# Altium PCB PM12_CFD.PcbDoc (part 2 of 12)
Units mm, origin at the board's own origin, x right, y up, seen from the top; angles counter-clockwise.
Board outline 96.25 x 362.25 mm, 6 copper layers (Top Layer, Mid-Layer 1, Mid-Layer 2, Mid-Layer 3, Mid-Layer 4, Bottom Layer); 1413 components, 2881 nets, 4503 pads, 1682 vias.
Unrouted connection lines stored in the file: 4.
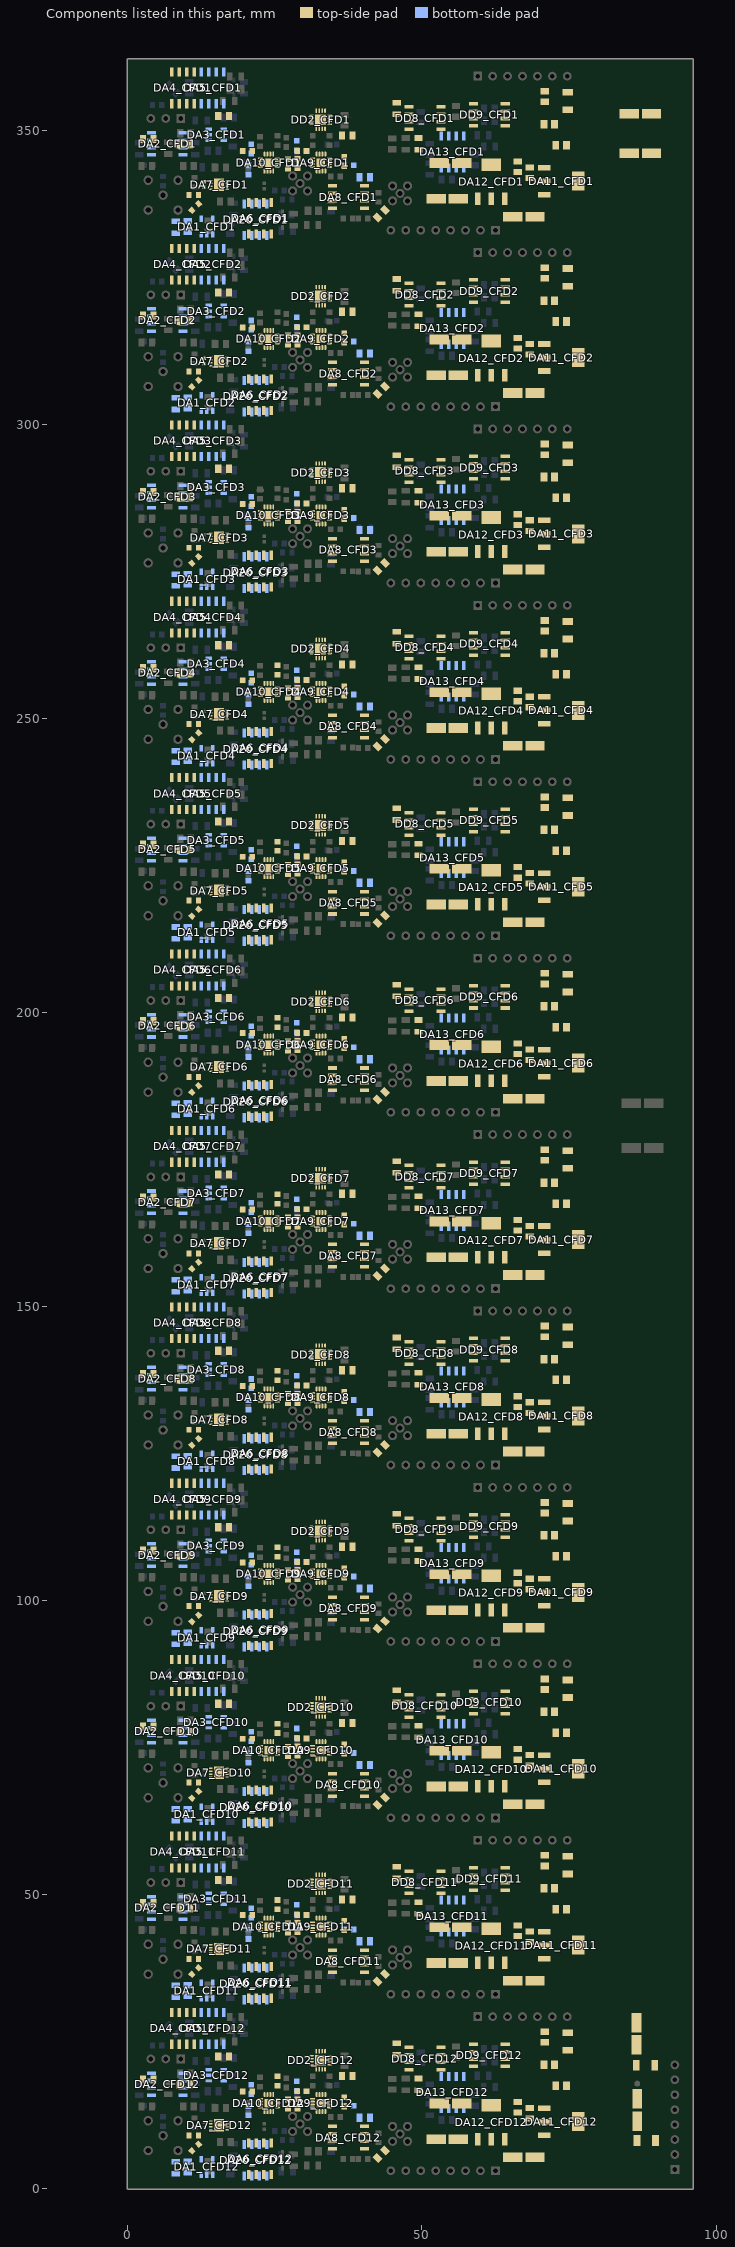
[diagram p6: the components of this part, seen from the top]

## Components (designator, comment, footprint, x,y, rotation, side; value= is the part's Value field where it differs from the comment) (continued)
C32_CFD4 "220nF" CAPC1608X87N 25.4,258.234 r270 top (schematic designator C32)
C32_CFD5 "220nF" CAPC1608X87N 25.4,228.234 r270 top (schematic designator C32)
C32_CFD6 "220nF" CAPC1608X87N 25.4,198.234 r270 top (schematic designator C32)
C32_CFD7 "220nF" CAPC1608X87N 25.4,168.234 r270 top (schematic designator C32)
C32_CFD8 "220nF" CAPC1608X87N 25.4,138.234 r270 top (schematic designator C32)
C32_CFD9 "220nF" CAPC1608X87N 25.4,108.234 r270 top (schematic designator C32)
C32_CFD10 "220nF" CAPC1608X87N 25.4,78.234 r270 top (schematic designator C32)
C32_CFD11 "220nF" CAPC1608X87N 25.4,48.234 r270 top (schematic designator C32)
C32_CFD12 "220nF" CAPC1608X87N 25.4,18.234 r270 top (schematic designator C32)
C33_CFD1 "220nF" CAPC1608X87N 36.77,344.678 r270 top (schematic designator C33)
C33_CFD2 "220nF" CAPC1608X87N 36.77,314.678 r270 top (schematic designator C33)
C33_CFD3 "220nF" CAPC1608X87N 36.77,284.678 r270 top (schematic designator C33)
C33_CFD4 "220nF" CAPC1608X87N 36.77,254.678 r270 top (schematic designator C33)
C33_CFD5 "220nF" CAPC1608X87N 36.77,224.678 r270 top (schematic designator C33)
C33_CFD6 "220nF" CAPC1608X87N 36.77,194.678 r270 top (schematic designator C33)
C33_CFD7 "220nF" CAPC1608X87N 36.77,164.678 r270 top (schematic designator C33)
C33_CFD8 "220nF" CAPC1608X87N 36.77,134.678 r270 top (schematic designator C33)
C33_CFD9 "220nF" CAPC1608X87N 36.77,104.678 r270 top (schematic designator C33)
C33_CFD10 "220nF" CAPC1608X87N 36.77,74.678 r270 top (schematic designator C33)
C33_CFD11 "220nF" CAPC1608X87N 36.77,44.678 r270 top (schematic designator C33)
C33_CFD12 "220nF" CAPC1608X87N 36.77,14.678 r270 top (schematic designator C33)
C34 "47uF" CAPAE530X610N 86.614,13.335 r90 top
C35_CFD1 "220nF" CAPC1608X87N 27.22,344.3 r270 top (schematic designator C35)
C35_CFD2 "220nF" CAPC1608X87N 27.22,314.3 r270 top (schematic designator C35)
C35_CFD3 "220nF" CAPC1608X87N 27.22,284.3 r270 top (schematic designator C35)
C35_CFD4 "220nF" CAPC1608X87N 27.22,254.3 r270 top (schematic designator C35)
C35_CFD5 "220nF" CAPC1608X87N 27.22,224.3 r270 top (schematic designator C35)
C35_CFD6 "220nF" CAPC1608X87N 27.22,194.3 r270 top (schematic designator C35)
C35_CFD7 "220nF" CAPC1608X87N 27.22,164.3 r270 top (schematic designator C35)
C35_CFD8 "220nF" CAPC1608X87N 27.22,134.3 r270 top (schematic designator C35)
C35_CFD9 "220nF" CAPC1608X87N 27.22,104.3 r270 top (schematic designator C35)
C35_CFD10 "220nF" CAPC1608X87N 27.22,74.3 r270 top (schematic designator C35)
C35_CFD11 "220nF" CAPC1608X87N 27.22,44.3 r270 top (schematic designator C35)
C35_CFD12 "220nF" CAPC1608X87N 27.22,14.3 r270 top (schematic designator C35)
C36_CFD1 "220nF" CAPC1608X87N 28.8,344.35 r270 top (schematic designator C36)
C36_CFD2 "220nF" CAPC1608X87N 28.8,314.35 r270 top (schematic designator C36)
C36_CFD3 "220nF" CAPC1608X87N 28.8,284.35 r270 top (schematic designator C36)
C36_CFD4 "220nF" CAPC1608X87N 28.8,254.35 r270 top (schematic designator C36)
C36_CFD5 "220nF" CAPC1608X87N 28.8,224.35 r270 top (schematic designator C36)
C36_CFD6 "220nF" CAPC1608X87N 28.8,194.35 r270 top (schematic designator C36)
C36_CFD7 "220nF" CAPC1608X87N 28.8,164.35 r270 top (schematic designator C36)
C36_CFD8 "220nF" CAPC1608X87N 28.8,134.35 r270 top (schematic designator C36)
C36_CFD9 "220nF" CAPC1608X87N 28.8,104.35 r270 top (schematic designator C36)
C36_CFD10 "220nF" CAPC1608X87N 28.8,74.35 r270 top (schematic designator C36)
C36_CFD11 "220nF" CAPC1608X87N 28.8,44.35 r270 top (schematic designator C36)
C36_CFD12 "220nF" CAPC1608X87N 28.8,14.35 r270 top (schematic designator C36)
C37_CFD1 "220nF" CAPC2012X135N 9.652,347.599 r180 top (schematic designator C37)
C37_CFD2 "220nF" CAPC2012X135N 9.652,317.599 r180 top (schematic designator C37)
C37_CFD3 "220nF" CAPC2012X135N 9.652,287.599 r180 top (schematic designator C37)
C37_CFD4 "220nF" CAPC2012X135N 9.652,257.599 r180 top (schematic designator C37)
C37_CFD5 "220nF" CAPC2012X135N 9.652,227.599 r180 top (schematic designator C37)
C37_CFD6 "220nF" CAPC2012X135N 9.652,197.599 r180 top (schematic designator C37)
C37_CFD7 "220nF" CAPC2012X135N 9.652,167.599 r180 top (schematic designator C37)
C37_CFD8 "220nF" CAPC2012X135N 9.652,137.599 r180 top (schematic designator C37)
C37_CFD9 "220nF" CAPC2012X135N 9.652,107.599 r180 top (schematic designator C37)
C37_CFD10 "220nF" CAPC2012X135N 9.652,77.599 r180 top (schematic designator C37)
C37_CFD11 "220nF" CAPC2012X135N 9.652,47.599 r180 top (schematic designator C37)
C37_CFD12 "220nF" CAPC2012X135N 9.652,17.599 r180 top (schematic designator C37)
C38_CFD1 "220nF" CAPC2012X135N 40.259,342.011 r0 bottom (schematic designator C38)
C38_CFD2 "220nF" CAPC2012X135N 40.259,312.011 r0 bottom (schematic designator C38)
C38_CFD3 "220nF" CAPC2012X135N 40.259,282.011 r0 bottom (schematic designator C38)
C38_CFD4 "220nF" CAPC2012X135N 40.259,252.011 r0 bottom (schematic designator C38)
C38_CFD5 "220nF" CAPC2012X135N 40.259,222.011 r0 bottom (schematic designator C38)
C38_CFD6 "220nF" CAPC2012X135N 40.259,192.011 r0 bottom (schematic designator C38)
C38_CFD7 "220nF" CAPC2012X135N 40.259,162.011 r0 bottom (schematic designator C38)
C38_CFD8 "220nF" CAPC2012X135N 40.259,132.011 r0 bottom (schematic designator C38)
C38_CFD9 "220nF" CAPC2012X135N 40.259,102.011 r0 bottom (schematic designator C38)
C38_CFD10 "220nF" CAPC2012X135N 40.259,72.011 r0 bottom (schematic designator C38)
C38_CFD11 "220nF" CAPC2012X135N 40.259,42.011 r0 bottom (schematic designator C38)
C38_CFD12 "220nF" CAPC2012X135N 40.259,12.011 r0 bottom (schematic designator C38)
C39_CFD1 "220nF" CAPC1608X87N 20.32,346.456 r0 top (schematic designator C39)
C39_CFD2 "220nF" CAPC1608X87N 20.32,316.456 r0 top (schematic designator C39)
C39_CFD3 "220nF" CAPC1608X87N 20.32,286.456 r0 top (schematic designator C39)
C39_CFD4 "220nF" CAPC1608X87N 20.32,256.456 r0 top (schematic designator C39)
C39_CFD5 "220nF" CAPC1608X87N 20.32,226.456 r0 top (schematic designator C39)
C39_CFD6 "220nF" CAPC1608X87N 20.32,196.456 r0 top (schematic designator C39)
C39_CFD7 "220nF" CAPC1608X87N 20.32,166.456 r0 top (schematic designator C39)
C39_CFD8 "220nF" CAPC1608X87N 20.32,136.456 r0 top (schematic designator C39)
C39_CFD9 "220nF" CAPC1608X87N 20.32,106.456 r0 top (schematic designator C39)
C39_CFD10 "220nF" CAPC1608X87N 20.32,76.456 r0 top (schematic designator C39)
C39_CFD11 "220nF" CAPC1608X87N 20.32,46.456 r0 top (schematic designator C39)
C39_CFD12 "220nF" CAPC1608X87N 20.32,16.456 r0 top (schematic designator C39)
C40_CFD1 "220nF" CAPC1608X87N 29.555,346.5 r0 top (schematic designator C40)
C40_CFD2 "220nF" CAPC1608X87N 29.555,316.5 r0 top (schematic designator C40)
C40_CFD3 "220nF" CAPC1608X87N 29.555,286.5 r0 top (schematic designator C40)
C40_CFD4 "220nF" CAPC1608X87N 29.555,256.5 r0 top (schematic designator C40)
C40_CFD5 "220nF" CAPC1608X87N 29.555,226.5 r0 top (schematic designator C40)
C40_CFD6 "220nF" CAPC1608X87N 29.555,196.5 r0 top (schematic designator C40)
C40_CFD7 "220nF" CAPC1608X87N 29.555,166.5 r0 top (schematic designator C40)
C40_CFD8 "220nF" CAPC1608X87N 29.555,136.5 r0 top (schematic designator C40)
C40_CFD9 "220nF" CAPC1608X87N 29.555,106.5 r0 top (schematic designator C40)
C40_CFD10 "220nF" CAPC1608X87N 29.555,76.5 r0 top (schematic designator C40)
C40_CFD11 "220nF" CAPC1608X87N 29.555,46.5 r0 top (schematic designator C40)
C40_CFD12 "220nF" CAPC1608X87N 29.555,16.5 r0 top (schematic designator C40)
C41_CFD1 "220nF" CAPC2012X135N 10.16,333.629 r270 bottom (schematic designator C41)
C41_CFD2 "220nF" CAPC2012X135N 10.16,303.629 r270 bottom (schematic designator C41)
C41_CFD3 "220nF" CAPC2012X135N 10.16,273.629 r270 bottom (schematic designator C41)
C41_CFD4 "220nF" CAPC2012X135N 10.16,243.629 r270 bottom (schematic designator C41)
C41_CFD5 "220nF" CAPC2012X135N 10.16,213.629 r270 bottom (schematic designator C41)
C41_CFD6 "220nF" CAPC2012X135N 10.16,183.629 r270 bottom (schematic designator C41)
C41_CFD7 "220nF" CAPC2012X135N 10.16,153.629 r270 bottom (schematic designator C41)
C41_CFD8 "220nF" CAPC2012X135N 10.16,123.629 r270 bottom (schematic designator C41)
C41_CFD9 "220nF" CAPC2012X135N 10.16,93.629 r270 bottom (schematic designator C41)
C41_CFD10 "220nF" CAPC2012X135N 10.16,63.629 r270 bottom (schematic designator C41)
C41_CFD11 "220nF" CAPC2012X135N 10.16,33.629 r270 bottom (schematic designator C41)
C41_CFD12 "220nF" CAPC2012X135N 10.16,3.629 r270 bottom (schematic designator C41)
C42_CFD1 "47uF" CAPAE530X610N 54.83,344.42 r0 top (schematic designator C42)
C42_CFD2 "47uF" CAPAE530X610N 54.83,314.42 r0 top (schematic designator C42)
C42_CFD3 "47uF" CAPAE530X610N 54.83,284.42 r0 top (schematic designator C42)
C42_CFD4 "47uF" CAPAE530X610N 54.83,254.42 r0 top (schematic designator C42)
C42_CFD5 "47uF" CAPAE530X610N 54.83,224.42 r0 top (schematic designator C42)
C42_CFD6 "47uF" CAPAE530X610N 54.83,194.42 r0 top (schematic designator C42)
C42_CFD7 "47uF" CAPAE530X610N 54.83,164.42 r0 top (schematic designator C42)
C42_CFD8 "47uF" CAPAE530X610N 54.83,134.42 r0 top (schematic designator C42)
C42_CFD9 "47uF" CAPAE530X610N 54.83,104.42 r0 top (schematic designator C42)
C42_CFD10 "47uF" CAPAE530X610N 54.83,74.42 r0 top (schematic designator C42)
C42_CFD11 "47uF" CAPAE530X610N 54.83,44.42 r0 top (schematic designator C42)
C42_CFD12 "47uF" CAPAE530X610N 54.83,14.42 r0 top (schematic designator C42)
C43_CFD1 "220nF" CAPC2012X135N 16.256,352.425 r180 top (schematic designator C43)
C43_CFD2 "220nF" CAPC2012X135N 16.256,322.425 r180 top (schematic designator C43)
C43_CFD3 "220nF" CAPC2012X135N 16.256,292.425 r180 top (schematic designator C43)
C43_CFD4 "220nF" CAPC2012X135N 16.256,262.425 r180 top (schematic designator C43)
C43_CFD5 "220nF" CAPC2012X135N 16.256,232.425 r180 top (schematic designator C43)
C43_CFD6 "220nF" CAPC2012X135N 16.256,202.425 r180 top (schematic designator C43)
C43_CFD7 "220nF" CAPC2012X135N 16.256,172.425 r180 top (schematic designator C43)
C43_CFD8 "220nF" CAPC2012X135N 16.256,142.425 r180 top (schematic designator C43)
C43_CFD9 "220nF" CAPC2012X135N 16.256,112.425 r180 top (schematic designator C43)
C43_CFD10 "220nF" CAPC2012X135N 16.256,82.425 r180 top (schematic designator C43)
C43_CFD11 "220nF" CAPC2012X135N 16.256,52.425 r180 top (schematic designator C43)
C43_CFD12 "220nF" CAPC2012X135N 16.256,22.425 r180 top (schematic designator C43)
C44 "47uF" CAPAE530X610N 87.122,346.075 r0 top
C45 "47uF" CAPAE530X610N 86.487,26.289 r270 top
C46 "47uF" CAPAE530X610N 87.122,352.806 r180 top
C47_CFD1 "4.7uF" CAPC3216X180N 74.803,354.965 r270 top (schematic designator C47)
C47_CFD2 "4.7uF" CAPC3216X180N 74.803,324.965 r270 top (schematic designator C47)
C47_CFD3 "4.7uF" CAPC3216X180N 74.803,294.965 r270 top (schematic designator C47)
C47_CFD4 "4.7uF" CAPC3216X180N 74.803,264.965 r270 top (schematic designator C47)
C47_CFD5 "4.7uF" CAPC3216X180N 74.803,234.965 r270 top (schematic designator C47)
C47_CFD6 "4.7uF" CAPC3216X180N 74.803,204.965 r270 top (schematic designator C47)
C47_CFD7 "4.7uF" CAPC3216X180N 74.803,174.965 r270 top (schematic designator C47)
C47_CFD8 "4.7uF" CAPC3216X180N 74.803,144.965 r270 top (schematic designator C47)
C47_CFD9 "4.7uF" CAPC3216X180N 74.803,114.965 r270 top (schematic designator C47)
C47_CFD10 "4.7uF" CAPC3216X180N 74.803,84.965 r270 top (schematic designator C47)
C47_CFD11 "4.7uF" CAPC3216X180N 74.803,54.965 r270 top (schematic designator C47)
C47_CFD12 "4.7uF" CAPC3216X180N 74.803,24.965 r270 top (schematic designator C47)
C71_CFD1 "220nF" CAPC2012X135N 3.429,348.488 r0 top (schematic designator C71)
C71_CFD2 "220nF" CAPC2012X135N 3.429,318.488 r0 top (schematic designator C71)
C71_CFD3 "220nF" CAPC2012X135N 3.429,288.488 r0 top (schematic designator C71)
C71_CFD4 "220nF" CAPC2012X135N 3.429,258.488 r0 top (schematic designator C71)
C71_CFD5 "220nF" CAPC2012X135N 3.429,228.488 r0 top (schematic designator C71)
C71_CFD6 "220nF" CAPC2012X135N 3.429,198.488 r0 top (schematic designator C71)
C71_CFD7 "220nF" CAPC2012X135N 3.429,168.488 r0 top (schematic designator C71)
C71_CFD8 "220nF" CAPC2012X135N 3.429,138.488 r0 top (schematic designator C71)
C71_CFD9 "220nF" CAPC2012X135N 3.429,108.488 r0 top (schematic designator C71)
C71_CFD10 "220nF" CAPC2012X135N 3.429,78.488 r0 top (schematic designator C71)
C71_CFD11 "220nF" CAPC2012X135N 3.429,48.488 r0 top (schematic designator C71)
C71_CFD12 "220nF" CAPC2012X135N 3.429,18.488 r0 top (schematic designator C71)
C72_CFD1 "220nF" CAPC2012X135N 37.3,349.123 r180 top (schematic designator C72)
C72_CFD2 "220nF" CAPC2012X135N 37.3,319.123 r180 top (schematic designator C72)
C72_CFD3 "220nF" CAPC2012X135N 37.3,289.123 r180 top (schematic designator C72)
C72_CFD4 "220nF" CAPC2012X135N 37.3,259.123 r180 top (schematic designator C72)
C72_CFD5 "220nF" CAPC2012X135N 37.3,229.123 r180 top (schematic designator C72)
C72_CFD6 "220nF" CAPC2012X135N 37.3,199.123 r180 top (schematic designator C72)
C72_CFD7 "220nF" CAPC2012X135N 37.3,169.123 r180 top (schematic designator C72)
C72_CFD8 "220nF" CAPC2012X135N 37.3,139.123 r180 top (schematic designator C72)
C72_CFD9 "220nF" CAPC2012X135N 37.3,109.123 r180 top (schematic designator C72)
C72_CFD10 "220nF" CAPC2012X135N 37.3,79.123 r180 top (schematic designator C72)
C72_CFD11 "220nF" CAPC2012X135N 37.3,49.123 r180 top (schematic designator C72)
C72_CFD12 "220nF" CAPC2012X135N 37.3,19.123 r180 top (schematic designator C72)
C73_CFD1 "220nF" CAPC2012X135N 43.1,335.8 r225 top (schematic designator C73)
C73_CFD2 "220nF" CAPC2012X135N 43.1,305.8 r225 top (schematic designator C73)
C73_CFD3 "220nF" CAPC2012X135N 43.1,275.8 r225 top (schematic designator C73)
C73_CFD4 "220nF" CAPC2012X135N 43.1,245.8 r225 top (schematic designator C73)
C73_CFD5 "220nF" CAPC2012X135N 43.1,215.8 r225 top (schematic designator C73)
C73_CFD6 "220nF" CAPC2012X135N 43.1,185.8 r225 top (schematic designator C73)
C73_CFD7 "220nF" CAPC2012X135N 43.1,155.8 r225 top (schematic designator C73)
C73_CFD8 "220nF" CAPC2012X135N 43.1,125.8 r225 top (schematic designator C73)
C73_CFD9 "220nF" CAPC2012X135N 43.1,95.8 r225 top (schematic designator C73)
C73_CFD10 "220nF" CAPC2012X135N 43.1,65.8 r225 top (schematic designator C73)
C73_CFD11 "220nF" CAPC2012X135N 43.1,35.8 r225 top (schematic designator C73)
C73_CFD12 "220nF" CAPC2012X135N 43.1,5.8 r225 top (schematic designator C73)
C129_CFD1 "220nF" CAPC2012X135N 68.326,342.773 r90 top (schematic designator C129)
C129_CFD2 "220nF" CAPC2012X135N 68.326,312.773 r90 top (schematic designator C129)
C129_CFD3 "220nF" CAPC2012X135N 68.326,282.773 r90 top (schematic designator C129)
C129_CFD4 "220nF" CAPC2012X135N 68.326,252.773 r90 top (schematic designator C129)
C129_CFD5 "220nF" CAPC2012X135N 68.326,222.773 r90 top (schematic designator C129)
C129_CFD6 "220nF" CAPC2012X135N 68.326,192.773 r90 top (schematic designator C129)
C129_CFD7 "220nF" CAPC2012X135N 68.326,162.773 r90 top (schematic designator C129)
C129_CFD8 "220nF" CAPC2012X135N 68.326,132.773 r90 top (schematic designator C129)
C129_CFD9 "220nF" CAPC2012X135N 68.326,102.773 r90 top (schematic designator C129)
C129_CFD10 "220nF" CAPC2012X135N 68.326,72.773 r90 top (schematic designator C129)
C129_CFD11 "220nF" CAPC2012X135N 68.326,42.773 r90 top (schematic designator C129)
C129_CFD12 "220nF" CAPC2012X135N 68.326,12.773 r90 top (schematic designator C129)
C135_CFD1 "47uF" CAPAE530X610N 67.31,335.31 r0 top (schematic designator C135)
C135_CFD2 "47uF" CAPAE530X610N 67.31,305.31 r0 top (schematic designator C135)
C135_CFD3 "47uF" CAPAE530X610N 67.31,275.31 r0 top (schematic designator C135)
C135_CFD4 "47uF" CAPAE530X610N 67.31,245.31 r0 top (schematic designator C135)
C135_CFD5 "47uF" CAPAE530X610N 67.31,215.31 r0 top (schematic designator C135)
C135_CFD6 "47uF" CAPAE530X610N 67.31,185.31 r0 top (schematic designator C135)
C135_CFD7 "47uF" CAPAE530X610N 67.31,155.31 r0 top (schematic designator C135)
C135_CFD8 "47uF" CAPAE530X610N 67.31,125.31 r0 top (schematic designator C135)
C135_CFD9 "47uF" CAPAE530X610N 67.31,95.31 r0 top (schematic designator C135)
C135_CFD10 "47uF" CAPAE530X610N 67.31,65.31 r0 top (schematic designator C135)
C135_CFD11 "47uF" CAPAE530X610N 67.31,35.31 r0 top (schematic designator C135)
C135_CFD12 "47uF" CAPAE530X610N 67.31,5.31 r0 top (schematic designator C135)
C145_CFD1 "220nF" CAPC2012X135N 66.294,343.789 r90 top (schematic designator C145)
C145_CFD2 "220nF" CAPC2012X135N 66.294,313.789 r90 top (schematic designator C145)
C145_CFD3 "220nF" CAPC2012X135N 66.294,283.789 r90 top (schematic designator C145)
C145_CFD4 "220nF" CAPC2012X135N 66.294,253.789 r90 top (schematic designator C145)
C145_CFD5 "220nF" CAPC2012X135N 66.294,223.789 r90 top (schematic designator C145)
C145_CFD6 "220nF" CAPC2012X135N 66.294,193.789 r90 top (schematic designator C145)
C145_CFD7 "220nF" CAPC2012X135N 66.294,163.789 r90 top (schematic designator C145)
C145_CFD8 "220nF" CAPC2012X135N 66.294,133.789 r90 top (schematic designator C145)
C145_CFD9 "220nF" CAPC2012X135N 66.294,103.789 r90 top (schematic designator C145)
C145_CFD10 "220nF" CAPC2012X135N 66.294,73.789 r90 top (schematic designator C145)
C145_CFD11 "220nF" CAPC2012X135N 66.294,43.789 r90 top (schematic designator C145)
C145_CFD12 "220nF" CAPC2012X135N 66.294,13.789 r90 top (schematic designator C145)
C146_CFD1 "47uF" CAPAE530X610N 54.3,338.328 r180 top (schematic designator C146)
C146_CFD2 "47uF" CAPAE530X610N 54.3,308.328 r180 top (schematic designator C146)
C146_CFD3 "47uF" CAPAE530X610N 54.3,278.328 r180 top (schematic designator C146)
C146_CFD4 "47uF" CAPAE530X610N 54.3,248.328 r180 top (schematic designator C146)
C146_CFD5 "47uF" CAPAE530X610N 54.3,218.328 r180 top (schematic designator C146)
C146_CFD6 "47uF" CAPAE530X610N 54.3,188.328 r180 top (schematic designator C146)
C146_CFD7 "47uF" CAPAE530X610N 54.3,158.328 r180 top (schematic designator C146)
C146_CFD8 "47uF" CAPAE530X610N 54.3,128.328 r180 top (schematic designator C146)
C146_CFD9 "47uF" CAPAE530X610N 54.3,98.328 r180 top (schematic designator C146)
C146_CFD10 "47uF" CAPAE530X610N 54.3,68.328 r180 top (schematic designator C146)
C146_CFD11 "47uF" CAPAE530X610N 54.3,38.328 r180 top (schematic designator C146)
C146_CFD12 "47uF" CAPAE530X610N 54.3,8.328 r180 top (schematic designator C146)
DA1_CFD1 "MAX1735EUK30+T" SOT95P280X145-5N 13.432,333.629 r90 bottom (schematic designator DA1)
DA1_CFD2 "MAX1735EUK30+T" SOT95P280X145-5N 13.432,303.629 r90 bottom (schematic designator DA1)
DA1_CFD3 "MAX1735EUK30+T" SOT95P280X145-5N 13.432,273.629 r90 bottom (schematic designator DA1)
DA1_CFD4 "MAX1735EUK30+T" SOT95P280X145-5N 13.432,243.629 r90 bottom (schematic designator DA1)
DA1_CFD5 "MAX1735EUK30+T" SOT95P280X145-5N 13.432,213.629 r90 bottom (schematic designator DA1)
DA1_CFD6 "MAX1735EUK30+T" SOT95P280X145-5N 13.432,183.629 r90 bottom (schematic designator DA1)
DA1_CFD7 "MAX1735EUK30+T" SOT95P280X145-5N 13.432,153.629 r90 bottom (schematic designator DA1)
DA1_CFD8 "MAX1735EUK30+T" SOT95P280X145-5N 13.432,123.629 r90 bottom (schematic designator DA1)
DA1_CFD9 "MAX1735EUK30+T" SOT95P280X145-5N 13.432,93.629 r90 bottom (schematic designator DA1)
DA1_CFD10 "MAX1735EUK30+T" SOT95P280X145-5N 13.432,63.629 r90 bottom (schematic designator DA1)
DA1_CFD11 "MAX1735EUK30+T" SOT95P280X145-5N 13.432,33.629 r90 bottom (schematic designator DA1)
DA1_CFD12 "MAX1735EUK30+T" SOT95P280X145-5N 13.432,3.629 r90 bottom (schematic designator DA1)
DA2_CFD1 "AD8138AR" SOIC127P600X175-8N 6.67,347.7 r0 bottom (schematic designator DA2)
DA2_CFD2 "AD8138AR" SOIC127P600X175-8N 6.67,317.7 r0 bottom (schematic designator DA2)
DA2_CFD3 "AD8138AR" SOIC127P600X175-8N 6.67,287.7 r0 bottom (schematic designator DA2)
DA2_CFD4 "AD8138AR" SOIC127P600X175-8N 6.67,257.7 r0 bottom (schematic designator DA2)
DA2_CFD5 "AD8138AR" SOIC127P600X175-8N 6.67,227.7 r0 bottom (schematic designator DA2)
DA2_CFD6 "AD8138AR" SOIC127P600X175-8N 6.67,197.7 r0 bottom (schematic designator DA2)
DA2_CFD7 "AD8138AR" SOIC127P600X175-8N 6.67,167.7 r0 bottom (schematic designator DA2)
DA2_CFD8 "AD8138AR" SOIC127P600X175-8N 6.67,137.7 r0 bottom (schematic designator DA2)
DA2_CFD9 "AD8138AR" SOIC127P600X175-8N 6.67,107.7 r0 bottom (schematic designator DA2)
DA2_CFD10 "AD8138AR" SOIC127P600X175-8N 6.67,77.7 r0 bottom (schematic designator DA2)
DA2_CFD11 "AD8138AR" SOIC127P600X175-8N 6.67,47.7 r0 bottom (schematic designator DA2)
DA2_CFD12 "AD8138AR" SOIC127P600X175-8N 6.67,17.7 r0 bottom (schematic designator DA2)
DA3_CFD1 "LP2985AIM5-2.5" SOT95P280X145-5N 15,349.25 r0 bottom (schematic designator DA3)
DA3_CFD2 "LP2985AIM5-2.5" SOT95P280X145-5N 15,319.25 r0 bottom (schematic designator DA3)
DA3_CFD3 "LP2985AIM5-2.5" SOT95P280X145-5N 15,289.25 r0 bottom (schematic designator DA3)
DA3_CFD4 "LP2985AIM5-2.5" SOT95P280X145-5N 15,259.25 r0 bottom (schematic designator DA3)
DA3_CFD5 "LP2985AIM5-2.5" SOT95P280X145-5N 15,229.25 r0 bottom (schematic designator DA3)
DA3_CFD6 "LP2985AIM5-2.5" SOT95P280X145-5N 15,199.25 r0 bottom (schematic designator DA3)
DA3_CFD7 "LP2985AIM5-2.5" SOT95P280X145-5N 15,169.25 r0 bottom (schematic designator DA3)
DA3_CFD8 "LP2985AIM5-2.5" SOT95P280X145-5N 15,139.25 r0 bottom (schematic designator DA3)
DA3_CFD9 "LP2985AIM5-2.5" SOT95P280X145-5N 15,109.25 r0 bottom (schematic designator DA3)
DA3_CFD10 "LP2985AIM5-2.5" SOT95P280X145-5N 15,79.25 r0 bottom (schematic designator DA3)
DA3_CFD11 "LP2985AIM5-2.5" SOT95P280X145-5N 15,49.25 r0 bottom (schematic designator DA3)
DA3_CFD12 "LP2985AIM5-2.5" SOT95P280X145-5N 15,19.25 r0 bottom (schematic designator DA3)
DA4_CFD1 "AD8671ARZ" SOIC127P600X175-8N 9.33,357.2 r270 top (schematic designator DA4)
DA4_CFD2 "AD8671ARZ" SOIC127P600X175-8N 9.33,327.2 r270 top (schematic designator DA4)
DA4_CFD3 "AD8671ARZ" SOIC127P600X175-8N 9.33,297.2 r270 top (schematic designator DA4)
DA4_CFD4 "AD8671ARZ" SOIC127P600X175-8N 9.33,267.2 r270 top (schematic designator DA4)
DA4_CFD5 "AD8671ARZ" SOIC127P600X175-8N 9.33,237.2 r270 top (schematic designator DA4)
DA4_CFD6 "AD8671ARZ" SOIC127P600X175-8N 9.33,207.2 r270 top (schematic designator DA4)
DA4_CFD7 "AD8671ARZ" SOIC127P600X175-8N 9.33,177.2 r270 top (schematic designator DA4)
DA4_CFD8 "AD8671ARZ" SOIC127P600X175-8N 9.33,147.2 r270 top (schematic designator DA4)
DA4_CFD9 "AD8671ARZ" SOIC127P600X175-8N 9.33,117.2 r270 top (schematic designator DA4)
DA4_CFD10 "AD8671ARZ" SOIC127P600X175-8N 9.33,87.2 r270 top (schematic designator DA4)
DA4_CFD11 "AD8671ARZ" SOIC127P600X175-8N 9.33,57.2 r270 top (schematic designator DA4)
DA4_CFD12 "AD8671ARZ" SOIC127P600X175-8N 9.33,27.2 r270 top (schematic designator DA4)
DA5_CFD1 "AD8055AR" SOIC127P600X175-8N 14.4,357.2 r90 bottom (schematic designator DA5)
DA5_CFD2 "AD8055AR" SOIC127P600X175-8N 14.4,327.2 r90 bottom (schematic designator DA5)
DA5_CFD3 "AD8055AR" SOIC127P600X175-8N 14.4,297.2 r90 bottom (schematic designator DA5)
DA5_CFD4 "AD8055AR" SOIC127P600X175-8N 14.4,267.2 r90 bottom (schematic designator DA5)
DA5_CFD5 "AD8055AR" SOIC127P600X175-8N 14.4,237.2 r90 bottom (schematic designator DA5)
DA5_CFD6 "AD8055AR" SOIC127P600X175-8N 14.4,207.2 r90 bottom (schematic designator DA5)
DA5_CFD7 "AD8055AR" SOIC127P600X175-8N 14.4,177.2 r90 bottom (schematic designator DA5)
DA5_CFD8 "AD8055AR" SOIC127P600X175-8N 14.4,147.2 r90 bottom (schematic designator DA5)
DA5_CFD9 "AD8055AR" SOIC127P600X175-8N 14.4,117.2 r90 bottom (schematic designator DA5)
DA5_CFD10 "AD8055AR" SOIC127P600X175-8N 14.4,87.2 r90 bottom (schematic designator DA5)
DA5_CFD11 "AD8055AR" SOIC127P600X175-8N 14.4,57.2 r90 bottom (schematic designator DA5)
DA5_CFD12 "AD8055AR" SOIC127P600X175-8N 14.4,27.2 r90 bottom (schematic designator DA5)
DA6_CFD1 "AD8055AR" SOIC127P600X175-8N 22.479,335.026 r270 top (schematic designator DA6)
DA6_CFD2 "AD8055AR" SOIC127P600X175-8N 22.479,305.026 r270 top (schematic designator DA6)
DA6_CFD3 "AD8055AR" SOIC127P600X175-8N 22.479,275.026 r270 top (schematic designator DA6)
DA6_CFD4 "AD8055AR" SOIC127P600X175-8N 22.479,245.026 r270 top (schematic designator DA6)
DA6_CFD5 "AD8055AR" SOIC127P600X175-8N 22.479,215.026 r270 top (schematic designator DA6)
DA6_CFD6 "AD8055AR" SOIC127P600X175-8N 22.479,185.026 r270 top (schematic designator DA6)
DA6_CFD7 "AD8055AR" SOIC127P600X175-8N 22.479,155.026 r270 top (schematic designator DA6)
DA6_CFD8 "AD8055AR" SOIC127P600X175-8N 22.479,125.026 r270 top (schematic designator DA6)
DA6_CFD9 "AD8055AR" SOIC127P600X175-8N 22.479,95.026 r270 top (schematic designator DA6)
DA6_CFD10 "AD8055AR" SOIC127P600X175-8N 22.479,65.026 r270 top (schematic designator DA6)
DA6_CFD11 "AD8055AR" SOIC127P600X175-8N 22.479,35.026 r270 top (schematic designator DA6)
DA6_CFD12 "AD8055AR" SOIC127P600X175-8N 22.479,5.026 r270 top (schematic designator DA6)
DA7_CFD1 "LMH6629SDE" TEXAS_NGQ0008A 15.494,340.7 r0 top (schematic designator DA7)
DA7_CFD2 "LMH6629SDE" TEXAS_NGQ0008A 15.494,310.7 r0 top (schematic designator DA7)
DA7_CFD3 "LMH6629SDE" TEXAS_NGQ0008A 15.494,280.7 r0 top (schematic designator DA7)
DA7_CFD4 "LMH6629SDE" TEXAS_NGQ0008A 15.494,250.7 r0 top (schematic designator DA7)
DA7_CFD5 "LMH6629SDE" TEXAS_NGQ0008A 15.494,220.7 r0 top (schematic designator DA7)
DA7_CFD6 "LMH6629SDE" TEXAS_NGQ0008A 15.494,190.7 r0 top (schematic designator DA7)
DA7_CFD7 "LMH6629SDE" TEXAS_NGQ0008A 15.494,160.7 r0 top (schematic designator DA7)
DA7_CFD8 "LMH6629SDE" TEXAS_NGQ0008A 15.494,130.7 r0 top (schematic designator DA7)
DA7_CFD9 "LMH6629SDE" TEXAS_NGQ0008A 15.494,100.7 r0 top (schematic designator DA7)
DA7_CFD10 "LMH6629SDE" TEXAS_NGQ0008A 15.494,70.7 r0 top (schematic designator DA7)
DA7_CFD11 "LMH6629SDE" TEXAS_NGQ0008A 15.494,40.7 r0 top (schematic designator DA7)
DA7_CFD12 "LMH6629SDE" TEXAS_NGQ0008A 15.494,10.7 r0 top (schematic designator DA7)
DA8_CFD1 "THS3201D" SOIC127P600X175-8N 37.5,338.62 r180 top (schematic designator DA8)
DA8_CFD2 "THS3201D" SOIC127P600X175-8N 37.5,308.62 r180 top (schematic designator DA8)
DA8_CFD3 "THS3201D" SOIC127P600X175-8N 37.5,278.62 r180 top (schematic designator DA8)
DA8_CFD4 "THS3201D" SOIC127P600X175-8N 37.5,248.62 r180 top (schematic designator DA8)
DA8_CFD5 "THS3201D" SOIC127P600X175-8N 37.5,218.62 r180 top (schematic designator DA8)
DA8_CFD6 "THS3201D" SOIC127P600X175-8N 37.5,188.62 r180 top (schematic designator DA8)
DA8_CFD7 "THS3201D" SOIC127P600X175-8N 37.5,158.62 r180 top (schematic designator DA8)
DA8_CFD8 "THS3201D" SOIC127P600X175-8N 37.5,128.62 r180 top (schematic designator DA8)
DA8_CFD9 "THS3201D" SOIC127P600X175-8N 37.5,98.62 r180 top (schematic designator DA8)
DA8_CFD10 "THS3201D" SOIC127P600X175-8N 37.5,68.62 r180 top (schematic designator DA8)
DA8_CFD11 "THS3201D" SOIC127P600X175-8N 37.5,38.62 r180 top (schematic designator DA8)
DA8_CFD12 "THS3201D" SOIC127P600X175-8N 37.5,8.62 r180 top (schematic designator DA8)
DA9_CFD1 "ADCMP582BCPZ" QFN50P300X300X80-17N-S145 32.82,344.5 r90 top (schematic designator DA9)
DA9_CFD2 "ADCMP582BCPZ" QFN50P300X300X80-17N-S145 32.82,314.5 r90 top (schematic designator DA9)
DA9_CFD3 "ADCMP582BCPZ" QFN50P300X300X80-17N-S145 32.82,284.5 r90 top (schematic designator DA9)
DA9_CFD4 "ADCMP582BCPZ" QFN50P300X300X80-17N-S145 32.82,254.5 r90 top (schematic designator DA9)
DA9_CFD5 "ADCMP582BCPZ" QFN50P300X300X80-17N-S145 32.82,224.5 r90 top (schematic designator DA9)
DA9_CFD6 "ADCMP582BCPZ" QFN50P300X300X80-17N-S145 32.82,194.5 r90 top (schematic designator DA9)
DA9_CFD7 "ADCMP582BCPZ" QFN50P300X300X80-17N-S145 32.82,164.5 r90 top (schematic designator DA9)
DA9_CFD8 "ADCMP582BCPZ" QFN50P300X300X80-17N-S145 32.82,134.5 r90 top (schematic designator DA9)
DA9_CFD9 "ADCMP582BCPZ" QFN50P300X300X80-17N-S145 32.82,104.5 r90 top (schematic designator DA9)
DA9_CFD10 "ADCMP582BCPZ" QFN50P300X300X80-17N-S145 32.82,74.5 r90 top (schematic designator DA9)
DA9_CFD11 "ADCMP582BCPZ" QFN50P300X300X80-17N-S145 32.82,44.5 r90 top (schematic designator DA9)
DA9_CFD12 "ADCMP582BCPZ" QFN50P300X300X80-17N-S145 32.82,14.5 r90 top (schematic designator DA9)
DA10_CFD1 "ADCMP582BCPZ" QFN50P300X300X80-17N-S145 23.97,344.5 r90 top (schematic designator DA10)
DA10_CFD2 "ADCMP582BCPZ" QFN50P300X300X80-17N-S145 23.97,314.5 r90 top (schematic designator DA10)
DA10_CFD3 "ADCMP582BCPZ" QFN50P300X300X80-17N-S145 23.97,284.5 r90 top (schematic designator DA10)
DA10_CFD4 "ADCMP582BCPZ" QFN50P300X300X80-17N-S145 23.97,254.5 r90 top (schematic designator DA10)
DA10_CFD5 "ADCMP582BCPZ" QFN50P300X300X80-17N-S145 23.97,224.5 r90 top (schematic designator DA10)
DA10_CFD6 "ADCMP582BCPZ" QFN50P300X300X80-17N-S145 23.97,194.5 r90 top (schematic designator DA10)
DA10_CFD7 "ADCMP582BCPZ" QFN50P300X300X80-17N-S145 23.97,164.5 r90 top (schematic designator DA10)
DA10_CFD8 "ADCMP582BCPZ" QFN50P300X300X80-17N-S145 23.97,134.5 r90 top (schematic designator DA10)
DA10_CFD9 "ADCMP582BCPZ" QFN50P300X300X80-17N-S145 23.97,104.5 r90 top (schematic designator DA10)
DA10_CFD10 "ADCMP582BCPZ" QFN50P300X300X80-17N-S145 23.97,74.5 r90 top (schematic designator DA10)
DA10_CFD11 "ADCMP582BCPZ" QFN50P300X300X80-17N-S145 23.97,44.5 r90 top (schematic designator DA10)
DA10_CFD12 "ADCMP582BCPZ" QFN50P300X300X80-17N-S145 23.97,14.5 r90 top (schematic designator DA10)
DA11_CFD1 "LT1129CST-5" SOT230P700X180-4N 73.67,341.35 r0 top (schematic designator DA11)
DA11_CFD2 "LT1129CST-5" SOT230P700X180-4N 73.67,311.35 r0 top (schematic designator DA11)
DA11_CFD3 "LT1129CST-5" SOT230P700X180-4N 73.67,281.35 r0 top (schematic designator DA11)
DA11_CFD4 "LT1129CST-5" SOT230P700X180-4N 73.67,251.35 r0 top (schematic designator DA11)
DA11_CFD5 "LT1129CST-5" SOT230P700X180-4N 73.67,221.35 r0 top (schematic designator DA11)
DA11_CFD6 "LT1129CST-5" SOT230P700X180-4N 73.67,191.35 r0 top (schematic designator DA11)
DA11_CFD7 "LT1129CST-5" SOT230P700X180-4N 73.67,161.35 r0 top (schematic designator DA11)
DA11_CFD8 "LT1129CST-5" SOT230P700X180-4N 73.67,131.35 r0 top (schematic designator DA11)
DA11_CFD9 "LT1129CST-5" SOT230P700X180-4N 73.67,101.35 r0 top (schematic designator DA11)
DA11_CFD10 "LT1129CST-5" SOT230P700X180-4N 73.67,71.35 r0 top (schematic designator DA11)
DA11_CFD11 "LT1129CST-5" SOT230P700X180-4N 73.67,41.35 r0 top (schematic designator DA11)
DA11_CFD12 "LT1129CST-5" SOT230P700X180-4N 73.67,11.35 r0 top (schematic designator DA11)
DA12_CFD1 "LT1175CST-5" SOT230P700X180-4N 61.77,341.249 r90 top (schematic designator DA12)
DA12_CFD2 "LT1175CST-5" SOT230P700X180-4N 61.77,311.249 r90 top (schematic designator DA12)
DA12_CFD3 "LT1175CST-5" SOT230P700X180-4N 61.77,281.249 r90 top (schematic designator DA12)
DA12_CFD4 "LT1175CST-5" SOT230P700X180-4N 61.77,251.249 r90 top (schematic designator DA12)
DA12_CFD5 "LT1175CST-5" SOT230P700X180-4N 61.77,221.249 r90 top (schematic designator DA12)
DA12_CFD6 "LT1175CST-5" SOT230P700X180-4N 61.77,191.249 r90 top (schematic designator DA12)
DA12_CFD7 "LT1175CST-5" SOT230P700X180-4N 61.77,161.249 r90 top (schematic designator DA12)
DA12_CFD8 "LT1175CST-5" SOT230P700X180-4N 61.77,131.249 r90 top (schematic designator DA12)
DA12_CFD9 "LT1175CST-5" SOT230P700X180-4N 61.77,101.249 r90 top (schematic designator DA12)
DA12_CFD10 "LT1175CST-5" SOT230P700X180-4N 61.77,71.249 r90 top (schematic designator DA12)
DA12_CFD11 "LT1175CST-5" SOT230P700X180-4N 61.77,41.249 r90 top (schematic designator DA12)
DA12_CFD12 "LT1175CST-5" SOT230P700X180-4N 61.77,11.249 r90 top (schematic designator DA12)
DA13_CFD1 "UCC284DP-ADJ" SOIC127P600X175-8N 55.18,346.302 r90 bottom (schematic designator DA13)
DA13_CFD2 "UCC284DP-ADJ" SOIC127P600X175-8N 55.18,316.302 r90 bottom (schematic designator DA13)
DA13_CFD3 "UCC284DP-ADJ" SOIC127P600X175-8N 55.18,286.302 r90 bottom (schematic designator DA13)
DA13_CFD4 "UCC284DP-ADJ" SOIC127P600X175-8N 55.18,256.302 r90 bottom (schematic designator DA13)
DA13_CFD5 "UCC284DP-ADJ" SOIC127P600X175-8N 55.18,226.302 r90 bottom (schematic designator DA13)
DA13_CFD6 "UCC284DP-ADJ" SOIC127P600X175-8N 55.18,196.302 r90 bottom (schematic designator DA13)
DA13_CFD7 "UCC284DP-ADJ" SOIC127P600X175-8N 55.18,166.302 r90 bottom (schematic designator DA13)
DA13_CFD8 "UCC284DP-ADJ" SOIC127P600X175-8N 55.18,136.302 r90 bottom (schematic designator DA13)
DA13_CFD9 "UCC284DP-ADJ" SOIC127P600X175-8N 55.18,106.302 r90 bottom (schematic designator DA13)
DA13_CFD10 "UCC284DP-ADJ" SOIC127P600X175-8N 55.18,76.302 r90 bottom (schematic designator DA13)
DA13_CFD11 "UCC284DP-ADJ" SOIC127P600X175-8N 55.18,46.302 r90 bottom (schematic designator DA13)
DA13_CFD12 "UCC284DP-ADJ" SOIC127P600X175-8N 55.18,16.302 r90 bottom (schematic designator DA13)
DA20_CFD1 "AD8671ARZ" SOIC127P600X175-8N 21.717,334.772 r90 bottom (schematic designator DA20)
DA20_CFD2 "AD8671ARZ" SOIC127P600X175-8N 21.717,304.772 r90 bottom (schematic designator DA20)
DA20_CFD3 "AD8671ARZ" SOIC127P600X175-8N 21.717,274.772 r90 bottom (schematic designator DA20)
DA20_CFD4 "AD8671ARZ" SOIC127P600X175-8N 21.717,244.772 r90 bottom (schematic designator DA20)
DA20_CFD5 "AD8671ARZ" SOIC127P600X175-8N 21.717,214.772 r90 bottom (schematic designator DA20)
DA20_CFD6 "AD8671ARZ" SOIC127P600X175-8N 21.717,184.772 r90 bottom (schematic designator DA20)
DA20_CFD7 "AD8671ARZ" SOIC127P600X175-8N 21.717,154.772 r90 bottom (schematic designator DA20)
DA20_CFD8 "AD8671ARZ" SOIC127P600X175-8N 21.717,124.772 r90 bottom (schematic designator DA20)
DA20_CFD9 "AD8671ARZ" SOIC127P600X175-8N 21.717,94.772 r90 bottom (schematic designator DA20)
DA20_CFD10 "AD8671ARZ" SOIC127P600X175-8N 21.717,64.772 r90 bottom (schematic designator DA20)
DA20_CFD11 "AD8671ARZ" SOIC127P600X175-8N 21.717,34.772 r90 bottom (schematic designator DA20)
DA20_CFD12 "AD8671ARZ" SOIC127P600X175-8N 21.717,4.772 r90 bottom (schematic designator DA20)
DD2_CFD1 "NB4L52MNG" QFN50P300X300X100-17N-S185 32.77,351.78 r0 top (schematic designator DD2)
DD2_CFD2 "NB4L52MNG" QFN50P300X300X100-17N-S185 32.77,321.78 r0 top (schematic designator DD2)
DD2_CFD3 "NB4L52MNG" QFN50P300X300X100-17N-S185 32.77,291.78 r0 top (schematic designator DD2)
DD2_CFD4 "NB4L52MNG" QFN50P300X300X100-17N-S185 32.77,261.78 r0 top (schematic designator DD2)
DD2_CFD5 "NB4L52MNG" QFN50P300X300X100-17N-S185 32.77,231.78 r0 top (schematic designator DD2)
DD2_CFD6 "NB4L52MNG" QFN50P300X300X100-17N-S185 32.77,201.78 r0 top (schematic designator DD2)
DD2_CFD7 "NB4L52MNG" QFN50P300X300X100-17N-S185 32.77,171.78 r0 top (schematic designator DD2)
DD2_CFD8 "NB4L52MNG" QFN50P300X300X100-17N-S185 32.77,141.78 r0 top (schematic designator DD2)
DD2_CFD9 "NB4L52MNG" QFN50P300X300X100-17N-S185 32.77,111.78 r0 top (schematic designator DD2)
DD2_CFD10 "NB4L52MNG" QFN50P300X300X100-17N-S185 32.77,81.78 r0 top (schematic designator DD2)
DD2_CFD11 "NB4L52MNG" QFN50P300X300X100-17N-S185 32.77,51.78 r0 top (schematic designator DD2)
DD2_CFD12 "NB4L52MNG" QFN50P300X300X100-17N-S185 32.77,21.78 r0 top (schematic designator DD2)
DD8_CFD1 "MC10EP51D" SOIC127P600X175-8N 50.5,352.05 r0 top (schematic designator DD8)
DD8_CFD2 "MC10EP51D" SOIC127P600X175-8N 50.5,322.05 r0 top (schematic designator DD8)
DD8_CFD3 "MC10EP51D" SOIC127P600X175-8N 50.5,292.05 r0 top (schematic designator DD8)
DD8_CFD4 "MC10EP51D" SOIC127P600X175-8N 50.5,262.05 r0 top (schematic designator DD8)
DD8_CFD5 "MC10EP51D" SOIC127P600X175-8N 50.5,232.05 r0 top (schematic designator DD8)
DD8_CFD6 "MC10EP51D" SOIC127P600X175-8N 50.5,202.05 r0 top (schematic designator DD8)
DD8_CFD7 "MC10EP51D" SOIC127P600X175-8N 50.5,172.05 r0 top (schematic designator DD8)
DD8_CFD8 "MC10EP51D" SOIC127P600X175-8N 50.5,142.05 r0 top (schematic designator DD8)
DD8_CFD9 "MC10EP51D" SOIC127P600X175-8N 50.5,112.05 r0 top (schematic designator DD8)
DD8_CFD10 "MC10EP51D" SOIC127P600X175-8N 50.5,82.05 r0 top (schematic designator DD8)
DD8_CFD11 "MC10EP51D" SOIC127P600X175-8N 50.5,52.05 r0 top (schematic designator DD8)
DD8_CFD12 "MC10EP51D" SOIC127P600X175-8N 50.5,22.05 r0 top (schematic designator DD8)
DD9_CFD1 "MC10EP16D" SOIC127P600X175-8N 61.465,352.63 r180 top (schematic designator DD9)
DD9_CFD2 "MC10EP16D" SOIC127P600X175-8N 61.465,322.63 r180 top (schematic designator DD9)
DD9_CFD3 "MC10EP16D" SOIC127P600X175-8N 61.465,292.63 r180 top (schematic designator DD9)
DD9_CFD4 "MC10EP16D" SOIC127P600X175-8N 61.465,262.63 r180 top (schematic designator DD9)
DD9_CFD5 "MC10EP16D" SOIC127P600X175-8N 61.465,232.63 r180 top (schematic designator DD9)
DD9_CFD6 "MC10EP16D" SOIC127P600X175-8N 61.465,202.63 r180 top (schematic designator DD9)
DD9_CFD7 "MC10EP16D" SOIC127P600X175-8N 61.465,172.63 r180 top (schematic designator DD9)
DD9_CFD8 "MC10EP16D" SOIC127P600X175-8N 61.465,142.63 r180 top (schematic designator DD9)
DD9_CFD9 "MC10EP16D" SOIC127P600X175-8N 61.465,112.63 r180 top (schematic designator DD9)
DD9_CFD10 "MC10EP16D" SOIC127P600X175-8N 61.465,82.63 r180 top (schematic designator DD9)
DD9_CFD11 "MC10EP16D" SOIC127P600X175-8N 61.465,52.63 r180 top (schematic designator DD9)
DD9_CFD12 "MC10EP16D" SOIC127P600X175-8N 61.465,22.63 r180 top (schematic designator DD9)
L1_CFD1 "220R@100MHz" INDC2012X105N 70.9,355.727 r90 top (schematic designator L1)
L1_CFD2 "220R@100MHz" INDC2012X105N 70.9,325.727 r90 top (schematic designator L1)
L1_CFD3 "220R@100MHz" INDC2012X105N 70.9,295.727 r90 top (schematic designator L1)
L1_CFD4 "220R@100MHz" INDC2012X105N 70.9,265.727 r90 top (schematic designator L1)
L1_CFD5 "220R@100MHz" INDC2012X105N 70.9,235.727 r90 top (schematic designator L1)
L1_CFD6 "220R@100MHz" INDC2012X105N 70.9,205.727 r90 top (schematic designator L1)
L1_CFD7 "220R@100MHz" INDC2012X105N 70.9,175.727 r90 top (schematic designator L1)
L1_CFD8 "220R@100MHz" INDC2012X105N 70.9,145.727 r90 top (schematic designator L1)
L1_CFD9 "220R@100MHz" INDC2012X105N 70.9,115.727 r90 top (schematic designator L1)
L1_CFD10 "220R@100MHz" INDC2012X105N 70.9,85.727 r90 top (schematic designator L1)
L1_CFD11 "220R@100MHz" INDC2012X105N 70.9,55.727 r90 top (schematic designator L1)
L1_CFD12 "220R@100MHz" INDC2012X105N 70.9,25.727 r90 top (schematic designator L1)
L2 "120R@100MHz" IND_MURATA_BLM31KN 88.138,8.128 r180 top
L3_CFD1 "120R@100MHz" INDC1608X95N 28.702,347.4 r270 bottom (schematic designator L3)
L3_CFD2 "120R@100MHz" INDC1608X95N 28.702,317.4 r270 bottom (schematic designator L3)
L3_CFD3 "120R@100MHz" INDC1608X95N 28.702,287.4 r270 bottom (schematic designator L3)
L3_CFD4 "120R@100MHz" INDC1608X95N 28.702,257.4 r270 bottom (schematic designator L3)
L3_CFD5 "120R@100MHz" INDC1608X95N 28.702,227.4 r270 bottom (schematic designator L3)
L3_CFD6 "120R@100MHz" INDC1608X95N 28.702,197.4 r270 bottom (schematic designator L3)
L3_CFD7 "120R@100MHz" INDC1608X95N 28.702,167.4 r270 bottom (schematic designator L3)
L3_CFD8 "120R@100MHz" INDC1608X95N 28.702,137.4 r270 bottom (schematic designator L3)
L3_CFD9 "120R@100MHz" INDC1608X95N 28.702,107.4 r270 bottom (schematic designator L3)
L3_CFD10 "120R@100MHz" INDC1608X95N 28.702,77.4 r270 bottom (schematic designator L3)
L3_CFD11 "120R@100MHz" INDC1608X95N 28.702,47.4 r270 bottom (schematic designator L3)
L3_CFD12 "120R@100MHz" INDC1608X95N 28.702,17.4 r270 bottom (schematic designator L3)
L4 "120R@100MHz" IND_MURATA_BLM31KN 88.011,20.955 r180 top
L5_CFD1 "120R@100MHz" INDC1608X95N 20.5,343.2 r90 bottom (schematic designator L5)
L5_CFD2 "120R@100MHz" INDC1608X95N 20.5,313.2 r90 bottom (schematic designator L5)
L5_CFD3 "120R@100MHz" INDC1608X95N 20.5,283.2 r90 bottom (schematic designator L5)
L5_CFD4 "120R@100MHz" INDC1608X95N 20.5,253.2 r90 bottom (schematic designator L5)
L5_CFD5 "120R@100MHz" INDC1608X95N 20.5,223.2 r90 bottom (schematic designator L5)
L5_CFD6 "120R@100MHz" INDC1608X95N 20.5,193.2 r90 bottom (schematic designator L5)
L5_CFD7 "120R@100MHz" INDC1608X95N 20.5,163.2 r90 bottom (schematic designator L5)
L5_CFD8 "120R@100MHz" INDC1608X95N 20.5,133.2 r90 bottom (schematic designator L5)
L5_CFD9 "120R@100MHz" INDC1608X95N 20.5,103.2 r90 bottom (schematic designator L5)
L5_CFD10 "120R@100MHz" INDC1608X95N 20.5,73.2 r90 bottom (schematic designator L5)
L5_CFD11 "120R@100MHz" INDC1608X95N 20.5,43.2 r90 bottom (schematic designator L5)
L5_CFD12 "120R@100MHz" INDC1608X95N 20.5,13.2 r90 bottom (schematic designator L5)
L6_CFD1 "120R@100MHz" INDC1608X95N 20.955,346.837 r270 bottom (schematic designator L6)
L6_CFD2 "120R@100MHz" INDC1608X95N 20.955,316.837 r270 bottom (schematic designator L6)
L6_CFD3 "120R@100MHz" INDC1608X95N 20.955,286.837 r270 bottom (schematic designator L6)
L6_CFD4 "120R@100MHz" INDC1608X95N 20.955,256.837 r270 bottom (schematic designator L6)
L6_CFD5 "120R@100MHz" INDC1608X95N 20.955,226.837 r270 bottom (schematic designator L6)
L6_CFD6 "120R@100MHz" INDC1608X95N 20.955,196.837 r270 bottom (schematic designator L6)
L6_CFD7 "120R@100MHz" INDC1608X95N 20.955,166.837 r270 bottom (schematic designator L6)
L6_CFD8 "120R@100MHz" INDC1608X95N 20.955,136.837 r270 bottom (schematic designator L6)
L6_CFD9 "120R@100MHz" INDC1608X95N 20.955,106.837 r270 bottom (schematic designator L6)
L6_CFD10 "120R@100MHz" INDC1608X95N 20.955,76.837 r270 bottom (schematic designator L6)
L6_CFD11 "120R@100MHz" INDC1608X95N 20.955,46.837 r270 bottom (schematic designator L6)
L6_CFD12 "120R@100MHz" INDC1608X95N 20.955,16.837 r270 bottom (schematic designator L6)
L7_CFD1 "120R@100MHz" INDC1608X95N 37.592,344.043 r180 bottom (schematic designator L7)
L7_CFD2 "120R@100MHz" INDC1608X95N 37.592,314.043 r180 bottom (schematic designator L7)
L7_CFD3 "120R@100MHz" INDC1608X95N 37.592,284.043 r180 bottom (schematic designator L7)
L7_CFD4 "120R@100MHz" INDC1608X95N 37.592,254.043 r180 bottom (schematic designator L7)
L7_CFD5 "120R@100MHz" INDC1608X95N 37.592,224.043 r180 bottom (schematic designator L7)
L7_CFD6 "120R@100MHz" INDC1608X95N 37.592,194.043 r180 bottom (schematic designator L7)
L7_CFD7 "120R@100MHz" INDC1608X95N 37.592,164.043 r180 bottom (schematic designator L7)
L7_CFD8 "120R@100MHz" INDC1608X95N 37.592,134.043 r180 bottom (schematic designator L7)
L7_CFD9 "120R@100MHz" INDC1608X95N 37.592,104.043 r180 bottom (schematic designator L7)
L7_CFD10 "120R@100MHz" INDC1608X95N 37.592,74.043 r180 bottom (schematic designator L7)
L7_CFD11 "120R@100MHz" INDC1608X95N 37.592,44.043 r180 bottom (schematic designator L7)
L7_CFD12 "120R@100MHz" INDC1608X95N 37.592,14.043 r180 bottom (schematic designator L7)
L8_CFD1 "220R@100MHz" INDC2012X105N 73.66,347.472 r180 top (schematic designator L8)
L8_CFD2 "220R@100MHz" INDC2012X105N 73.66,317.472 r180 top (schematic designator L8)
L8_CFD3 "220R@100MHz" INDC2012X105N 73.66,287.472 r180 top (schematic designator L8)
L8_CFD4 "220R@100MHz" INDC2012X105N 73.66,257.472 r180 top (schematic designator L8)
L8_CFD5 "220R@100MHz" INDC2012X105N 73.66,227.472 r180 top (schematic designator L8)
L8_CFD6 "220R@100MHz" INDC2012X105N 73.66,197.472 r180 top (schematic designator L8)
L8_CFD7 "220R@100MHz" INDC2012X105N 73.66,167.472 r180 top (schematic designator L8)
L8_CFD8 "220R@100MHz" INDC2012X105N 73.66,137.472 r180 top (schematic designator L8)
L8_CFD9 "220R@100MHz" INDC2012X105N 73.66,107.472 r180 top (schematic designator L8)
L8_CFD10 "220R@100MHz" INDC2012X105N 73.66,77.472 r180 top (schematic designator L8)
L8_CFD11 "220R@100MHz" INDC2012X105N 73.66,47.472 r180 top (schematic designator L8)
L8_CFD12 "220R@100MHz" INDC2012X105N 73.66,17.472 r180 top (schematic designator L8)
L9_CFD1 "220R@100MHz" INDC2012X105N 71.628,351.028 r180 top (schematic designator L9)
L9_CFD2 "220R@100MHz" INDC2012X105N 71.628,321.028 r180 top (schematic designator L9)
L9_CFD3 "220R@100MHz" INDC2012X105N 71.628,291.028 r180 top (schematic designator L9)
L9_CFD4 "220R@100MHz" INDC2012X105N 71.628,261.028 r180 top (schematic designator L9)
L9_CFD5 "220R@100MHz" INDC2012X105N 71.628,231.028 r180 top (schematic designator L9)
L9_CFD6 "220R@100MHz" INDC2012X105N 71.628,201.028 r180 top (schematic designator L9)
L9_CFD7 "220R@100MHz" INDC2012X105N 71.628,171.028 r180 top (schematic designator L9)
L9_CFD8 "220R@100MHz" INDC2012X105N 71.628,141.028 r180 top (schematic designator L9)
L9_CFD9 "220R@100MHz" INDC2012X105N 71.628,111.028 r180 top (schematic designator L9)
L9_CFD10 "220R@100MHz" INDC2012X105N 71.628,81.028 r180 top (schematic designator L9)
L9_CFD11 "220R@100MHz" INDC2012X105N 71.628,51.028 r180 top (schematic designator L9)
L9_CFD12 "220R@100MHz" INDC2012X105N 71.628,21.028 r180 top (schematic designator L9)
R1_CFD1 "20" RESC2012X60N 8.128,333.502 r270 bottom (schematic designator R1)
R1_CFD2 "20" RESC2012X60N 8.128,303.502 r270 bottom (schematic designator R1)
R1_CFD3 "20" RESC2012X60N 8.128,273.502 r270 bottom (schematic designator R1)
R1_CFD4 "20" RESC2012X60N 8.128,243.502 r270 bottom (schematic designator R1)
R1_CFD5 "20" RESC2012X60N 8.128,213.502 r270 bottom (schematic designator R1)
R1_CFD6 "20" RESC2012X60N 8.128,183.502 r270 bottom (schematic designator R1)
R1_CFD7 "20" RESC2012X60N 8.128,153.502 r270 bottom (schematic designator R1)
R1_CFD8 "20" RESC2012X60N 8.128,123.502 r270 bottom (schematic designator R1)
R1_CFD9 "20" RESC2012X60N 8.128,93.502 r270 bottom (schematic designator R1)
R1_CFD10 "20" RESC2012X60N 8.128,63.502 r270 bottom (schematic designator R1)
R1_CFD11 "20" RESC2012X60N 8.128,33.502 r270 bottom (schematic designator R1)
R1_CFD12 "20" RESC2012X60N 8.128,3.502 r270 bottom (schematic designator R1)
R2_CFD1 "36" RESC1608X64N 11.17,339 r0 top (schematic designator R2)
R2_CFD2 "36" RESC1608X64N 11.17,309 r0 top (schematic designator R2)
R2_CFD3 "36" RESC1608X64N 11.17,279 r0 top (schematic designator R2)
R2_CFD4 "36" RESC1608X64N 11.17,249 r0 top (schematic designator R2)
R2_CFD5 "36" RESC1608X64N 11.17,219 r0 top (schematic designator R2)
R2_CFD6 "36" RESC1608X64N 11.17,189 r0 top (schematic designator R2)
R2_CFD7 "36" RESC1608X64N 11.17,159 r0 top (schematic designator R2)
R2_CFD8 "36" RESC1608X64N 11.17,129 r0 top (schematic designator R2)
R2_CFD9 "36" RESC1608X64N 11.17,99 r0 top (schematic designator R2)
R2_CFD10 "36" RESC1608X64N 11.17,69 r0 top (schematic designator R2)
R2_CFD11 "36" RESC1608X64N 11.17,39 r0 top (schematic designator R2)
R2_CFD12 "36" RESC1608X64N 11.17,9 r0 top (schematic designator R2)
R3_CFD1 "51" RESC2012X60N 49.403,347.68 r270 top (schematic designator R3)
R3_CFD2 "51" RESC2012X60N 49.403,317.68 r270 top (schematic designator R3)
R3_CFD3 "51" RESC2012X60N 49.403,287.68 r270 top (schematic designator R3)
R3_CFD4 "51" RESC2012X60N 49.403,257.68 r270 top (schematic designator R3)
R3_CFD5 "51" RESC2012X60N 49.403,227.68 r270 top (schematic designator R3)
R3_CFD6 "51" RESC2012X60N 49.403,197.68 r270 top (schematic designator R3)
R3_CFD7 "51" RESC2012X60N 49.403,167.68 r270 top (schematic designator R3)
R3_CFD8 "51" RESC2012X60N 49.403,137.68 r270 top (schematic designator R3)
R3_CFD9 "51" RESC2012X60N 49.403,107.68 r270 top (schematic designator R3)
R3_CFD10 "51" RESC2012X60N 49.403,77.68 r270 top (schematic designator R3)
R3_CFD11 "51" RESC2012X60N 49.403,47.68 r270 top (schematic designator R3)
R3_CFD12 "51" RESC2012X60N 49.403,17.68 r270 top (schematic designator R3)
R4_CFD1 "18" RESC1608X64N 11.43,336.931 r45 top (schematic designator R4)
R4_CFD2 "18" RESC1608X64N 11.43,306.931 r45 top (schematic designator R4)
R4_CFD3 "18" RESC1608X64N 11.43,276.931 r45 top (schematic designator R4)
R4_CFD4 "18" RESC1608X64N 11.43,246.931 r45 top (schematic designator R4)
R4_CFD5 "18" RESC1608X64N 11.43,216.931 r45 top (schematic designator R4)
R4_CFD6 "18" RESC1608X64N 11.43,186.931 r45 top (schematic designator R4)
R4_CFD7 "18" RESC1608X64N 11.43,156.931 r45 top (schematic designator R4)
R4_CFD8 "18" RESC1608X64N 11.43,126.931 r45 top (schematic designator R4)
R4_CFD9 "18" RESC1608X64N 11.43,96.931 r45 top (schematic designator R4)
R4_CFD10 "18" RESC1608X64N 11.43,66.931 r45 top (schematic designator R4)
R4_CFD11 "18" RESC1608X64N 11.43,36.931 r45 top (schematic designator R4)
R4_CFD12 "18" RESC1608X64N 11.43,6.931 r45 top (schematic designator R4)
R5_CFD1 "1k" RESC2012X60N 45.72,353.695 r90 top (schematic designator R5)
R5_CFD2 "1k" RESC2012X60N 45.72,323.695 r90 top (schematic designator R5)
R5_CFD3 "1k" RESC2012X60N 45.72,293.695 r90 top (schematic designator R5)
R5_CFD4 "1k" RESC2012X60N 45.72,263.695 r90 top (schematic designator R5)
R5_CFD5 "1k" RESC2012X60N 45.72,233.695 r90 top (schematic designator R5)
R5_CFD6 "1k" RESC2012X60N 45.72,203.695 r90 top (schematic designator R5)
R5_CFD7 "1k" RESC2012X60N 45.72,173.695 r90 top (schematic designator R5)
R5_CFD8 "1k" RESC2012X60N 45.72,143.695 r90 top (schematic designator R5)
R5_CFD9 "1k" RESC2012X60N 45.72,113.695 r90 top (schematic designator R5)
R5_CFD10 "1k" RESC2012X60N 45.72,83.695 r90 top (schematic designator R5)
R5_CFD11 "1k" RESC2012X60N 45.72,53.695 r90 top (schematic designator R5)
R5_CFD12 "1k" RESC2012X60N 45.72,23.695 r90 top (schematic designator R5)
R6_CFD1 "240" RESC1005X40N 12.954,340.741 r90 top (schematic designator R6)
R6_CFD2 "240" RESC1005X40N 12.954,310.741 r90 top (schematic designator R6)